# KiCad board prototype_01.kicad_pcb (continued)
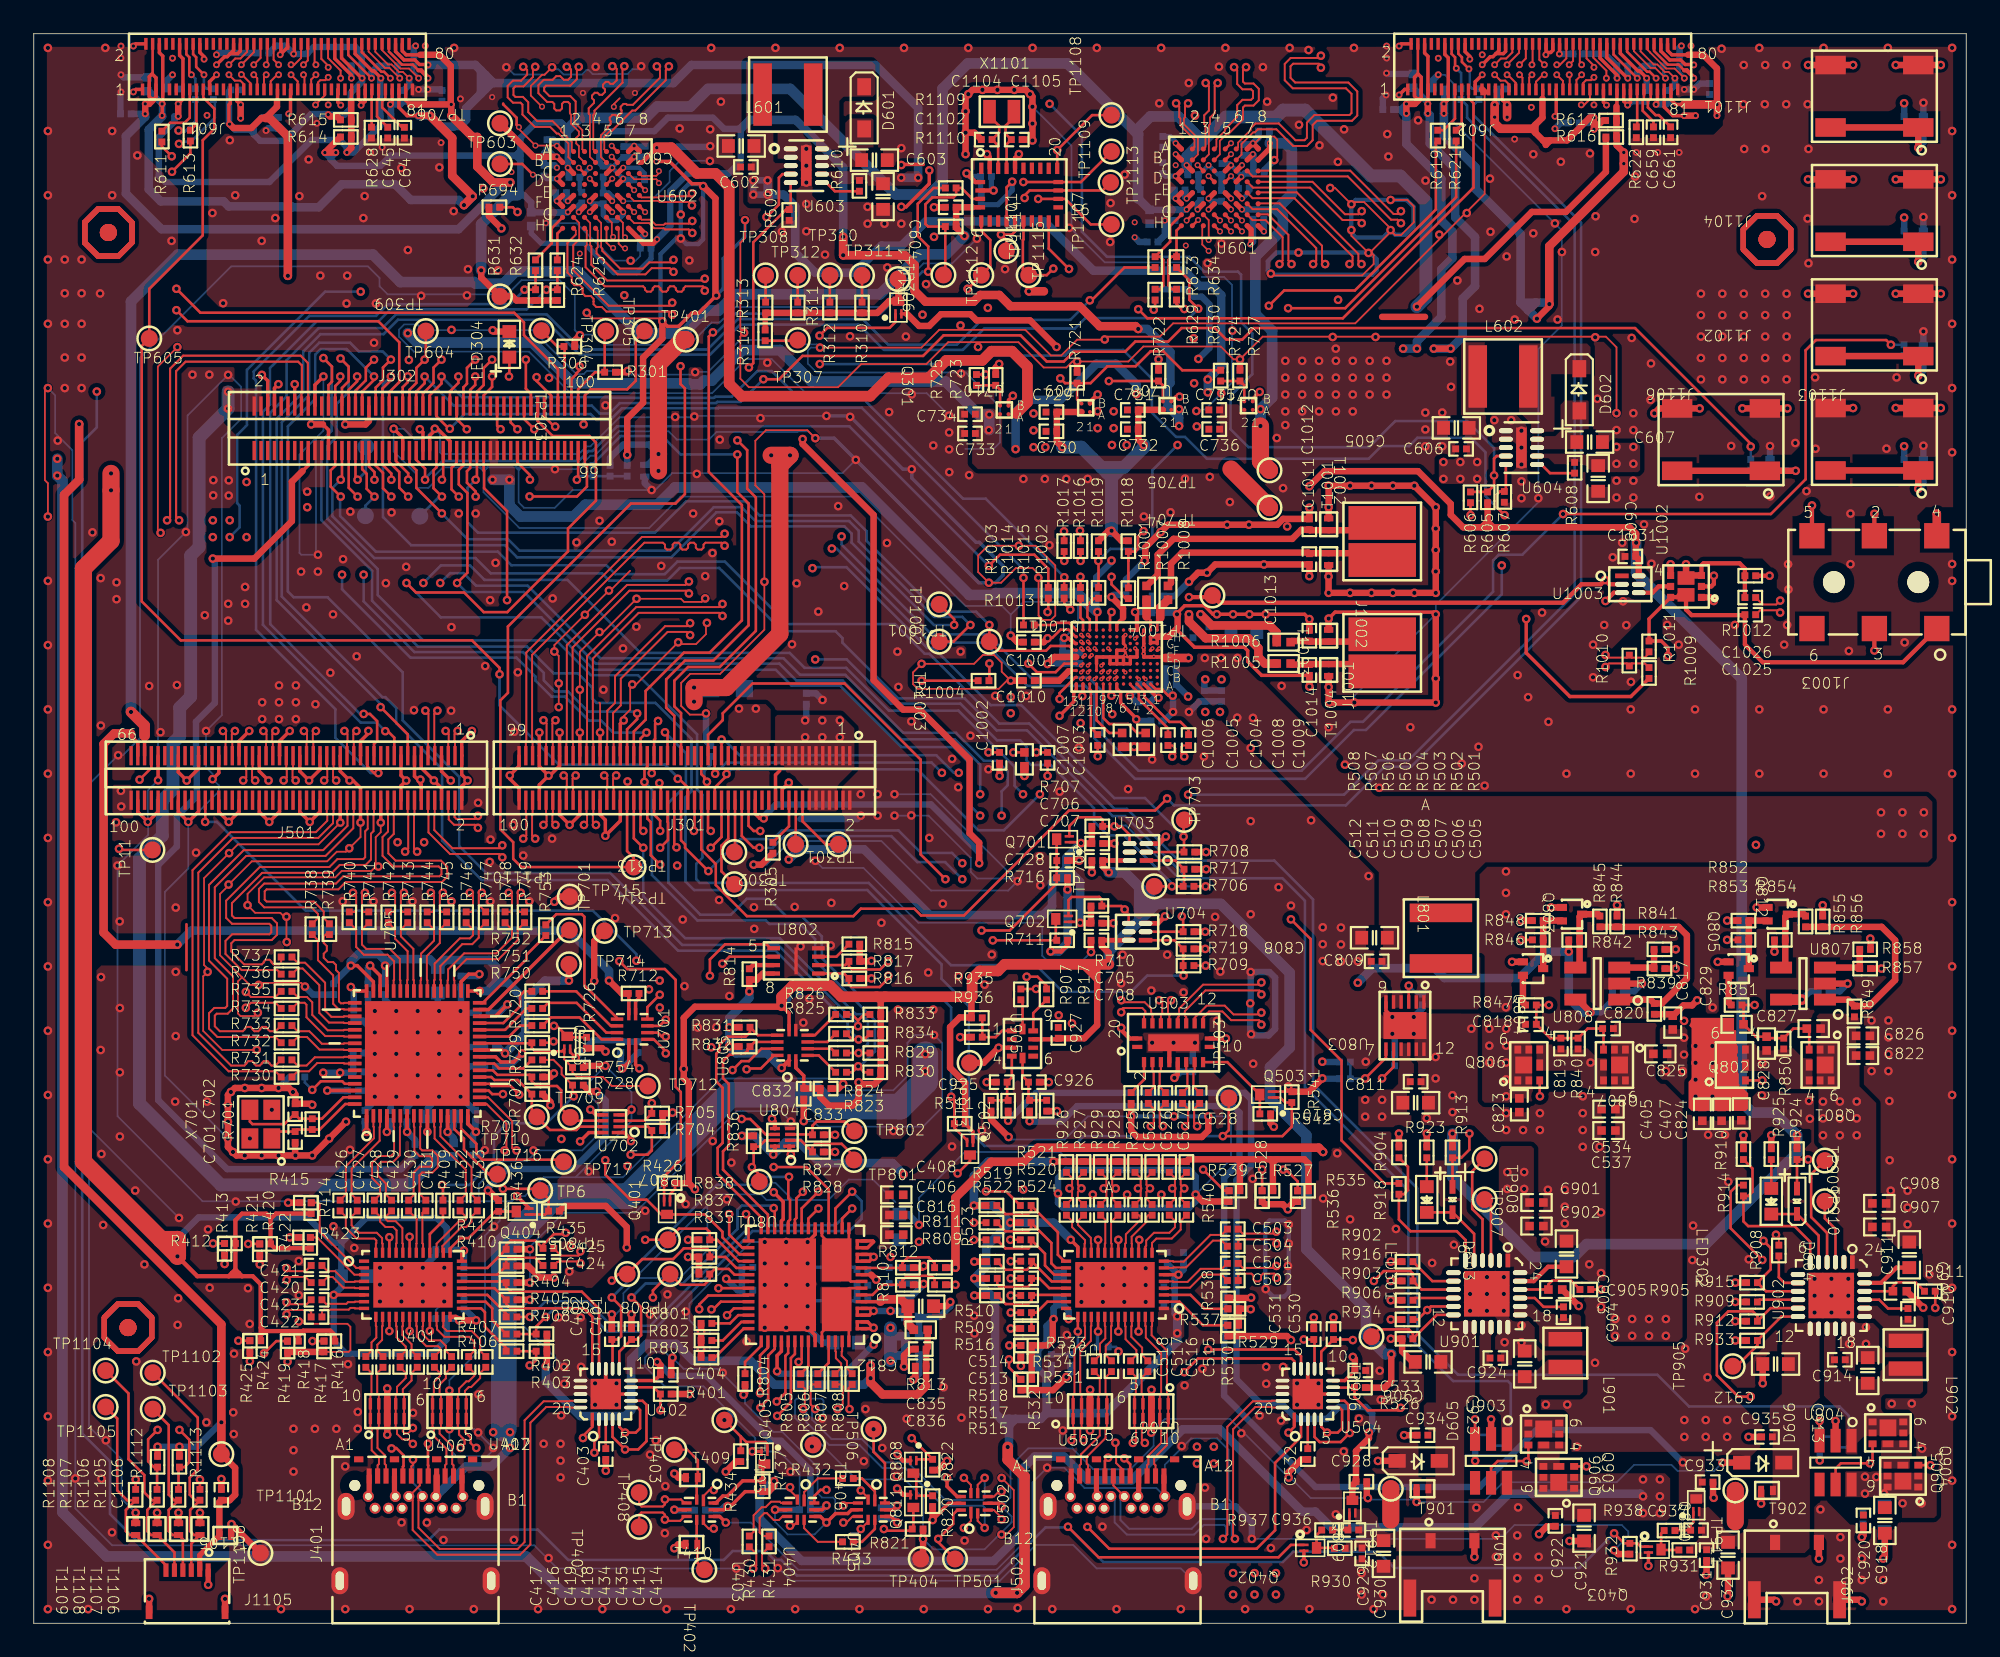
[diagram p0: board, top side]
## Routing (per net, layer and track width the routed paths; a pad name or vN(x,y) marks a point on that pad's centre or on a via; arc(x,y) is an arc through that point) (continued)
L_SSEQ1: length 4.1
  TOP w0.114: U401.3 19.01,20.67 16.8,22.88 R423.1
L_SSRXN: length 60.7
  TOP w0.114: C421.2 16.11,20.87 15.17,20.87 v1(14.99,21.06) ; v1(64.46,36.94) 64.58,36.82 65.85,36.82 66.24,36.44 66.24,36.13 66.31,36.05 U503.18
  ART03 w0.114: v1(14.99,21.06) 15.1,20.94 16.09,20.94 19.59,24.45 28.94,24.45 30.68,26.18 35.45,26.18 40.31,31.05 52.38,31.05 58.19,36.85 64.37,36.85 v1(64.46,36.94)
L_SSRXP: length 60.7
  TOP w0.114: U503.19 65.81,36.05 65.89,36.13 65.89,36.29 65.71,36.47 64.58,36.47 64.46,36.36 v1(64.46,36.23) ; C420.2 16.11,20.53 15.17,20.53 v1(14.99,20.35)
  ART03 w0.114: v1(14.99,20.35) 14.99,20.47 15.12,20.6 15.44,20.6 15.64,20.4 15.9,20.4 16.1,20.6 16.23,20.6 19.74,24.1 29.08,24.1 30.82,25.84 35.6,25.84 40.46,30.7 52.53,30.7 58.33,36.51 64.26,36.51 64.46,36.31 v1(64.46,36.23)
L_SSTXN: length 70.2
  TOP w0.114: U503.16 67.31,36.05 67.24,36.13 67.24,36.75 v1(67.42,36.94) ; v1(14.99,19.02) 15.1,18.92 16.18,18.92 C423.2
  ART03 w0.114: v1(67.42,36.94) 67.3,36.82 67.3,36.28 63.91,32.89 59.45,32.89 56.26,29.71 46.87,29.71 45.74,28.58 43.31,28.58 42.51,27.78 40.81,27.78 40.53,27.5 38.52,27.5 35.98,24.96 31.51,24.96 28.14,21.59 28.14,18.01 26.02,15.89 15.96,15.89 14.07,17.78 14.07,18.53 14.43,18.88 14.85,18.88 v1(14.99,19.02)
L_SSTXP: length 70.1
  TOP w0.114: U503.17 66.81,36.05 66.89,36.13 66.89,36.82 66.78,36.94 v1(66.71,36.94) ; v1(14.99,18.31) 14.99,18.45 15.11,18.57 16.33,18.57 16.44,18.46 C422.2
  ART03 w0.114: v1(66.71,36.94) 66.84,36.94 66.95,36.82 66.95,36.43 66.7,36.17 66.4,36.17 66.23,36 66.23,35.7 66.06,35.53 65.75,35.53 65.58,35.36 65.58,35.05 65.41,34.88 65.11,34.88 64.94,34.71 64.94,34.41 64.76,34.23 64.46,34.23 64.29,34.06 64.29,33.76 63.76,33.24 59.3,33.24 56.12,30.05 46.73,30.05 45.59,28.92 43.16,28.92 42.37,28.13 40.67,28.13 40.39,27.84 38.38,27.84 35.84,25.3 31.37,25.3 27.8,21.73 27.8,18.15 25.88,16.23 16.11,16.23 15.28,17.05 15.28,17.22 15.3,17.23 15.3,17.4 15.14,17.56 14.98,17.56 14.96,17.54 14.8,17.54 14.42,17.92 14.42,18.38 14.58,18.54 14.88,18.54 14.99,18.43 v1(14.99,18.31)
L_STAT: length 4.9
  TOP w0.152: LED302.2 104.51,24.26 D604.2 105.8,22.99 U902.5
L_STBY: length 34.2
  TOP w0.152: v1(22.2,67.79) 22.2,68.18 21.47,68.9 J302.43 ; TP603.1 28.96,86.51 v4(29.59,85.88) ; v4(32.31,86.29) U602.C3
  ART06 w0.089: 30.75,87.26 31.34,87.26 v4(32.31,86.29)
  ART06 w0.122: 30.75,87.26 30.1,87.26 29.59,86.75 v4(29.59,85.88) 29.88,85.59 29.88,81.87 29.58,81.58 25.01,81.58 20.7,77.27 20.7,72.72 22.12,71.3 22.12,67.86 v1(22.2,67.79)
L_TX1+: length 6.9
  TOP w0.114: C417.1 20.02,14.84 20.02,13.6 19.96,13.53 U406.10 U406.1 19.96,11.61 20.03,11.53 20.03,10.25 20.46,9.82 20.46,9.44 20.38,9.37 J401.A2
L_TX1-: length 6.9
  TOP w0.114: C416.1 20.36,14.83 20.36,13.63 20.45,13.53 U406.9 U406.2 20.45,11.61 20.38,11.53 20.38,10.39 20.81,9.96 20.81,9.44 20.88,9.37 J401.A3
L_TX2+: length 10.1
  TOP w0.114: U407.5 U407.6 25.64,13.53 25.56,13.61 25.56,13.77 25.79,14 25.93,14 26.46,14.53 26.46,14.84 C414.1
  TOP w0.127: U407.5 25.64,11.59 25.57,11.52 25.57,11.34 25.9,11.01 25.9,10.68 26.18,10.39 v1(26.23,10.39)
  ART03 w0.114: v1(26.23,10.39) 26.05,10.39 25.93,10.28 25.93,9.63 24.81,8.5 24.81,7.05 J401.B2
L_TX2-: length 10
  TOP w0.114: U407.4 U407.7 25.14,13.53 25.22,13.61 25.22,13.92 25.64,14.34 25.79,14.34 26.12,14.68 26.12,14.84 C415.1
  TOP w0.127: v1(25.29,10.39) 25.54,10.65 25.54,10.86 25.21,11.19 25.21,11.52 25.14,11.59 U407.4
  ART03 w0.114: J401.B3 24.46,7.05 24.46,8.64 25.59,9.77 25.59,10.28 25.48,10.39 v1(25.29,10.39)
L_VBAT: length 1.9
  TOP w1.016: 100.86,6.02 TP911.1
L_VBUS: length 53.6
  TOP w0.203: U801.14 49.73,22.67 49.78,22.62 49.43,22.27 U801.13
  TOP w0.305: J401.B9 21.38,7.57 J401.A4
  TOP w0.381: J401.B4 23.88,7.57 J401.A9
  BOTTOM w0.508: v1(27.23,11.33) v1(28.23,11.33) v1(28.23,10.39) 27.13,9.3 25.61,9.3 J401.B4
  BOTTOM w1.524: 27.86,11.53 27.86,22.33 30.86,25.32 35.26,25.32 41.26,31.33 46.24,31.33 46.94,30.63 51.35,30.63 52.85,32.13 v1(52.85,32.73) v1(52.85,33.73)
  vias: v1(71.09,2.97) v1(71.09,1.7) v1(72.36,2.97) v1(72.36,1.7) v1(73.63,2.97) v1(73.63,1.7) v1(98.51,34.23) v1(98.51,33.23) v1(98.51,32.23) v1(98.51,31.23) v1(99.51,34.23) v1(99.51,33.23) v1(99.51,32.23) v1(99.51,31.23)
L_VDD1_1V8: length 33.5
  TOP w0.203: J601.12 8.65,92.95 8.85,92.75 J601.13 8.85,90.36 v5(8.56,90.07) ; 18.82,90.27 18.82,90.91 J601.63 ; v5(20.58,91.6) 20.58,91.61 20.15,92.04 20.05,92.04 19.05,93.05 J601.64
  TOP w0.381: v5(8.56,89.34) v5(8.56,90.07) ; 18.82,90.27 18.82,89.13 R615.1 R614.1 18.82,87.46 v5(18.56,87.2)
  BOTTOM w0.381: v5(8.56,89.34) 8.34,89.34 8.34,89.03 7.42,88.11 7.42,85.83 7.8,85.45 13.97,85.45 16.46,87.93 18.14,87.93 18.56,87.51 v5(18.56,87.2) 18.95,87.2 20.53,88.78 C637.2 20.53,91.55 v5(20.58,91.6)
L_VDD_10V: length 88.8
  TOP w0.203: v5(23.37,92.39) 23.35,92.41 22.86,92.41 22.59,92.68 21.95,92.68 21.45,93.18 J601.76 ; v5(22.81,89.38) 22.13,89.38 21.65,89.86 J601.77 ; v5(7.61,89.38) 7.62,89.39 7.62,90.08 7.65,90.11 J601.7 7.65,92.91 7.45,93.11 J601.6
  TOP w0.381: v5(22.81,89.38) v5(23.48,89.38) ; v5(7.61,90.07) 7.62,90.08
  TOP w0.508: v5(23.48,89.38) 24.81,88.05 24.81,85.81 v1(26.02,84.59) v1(25.5,84.07)
  BOTTOM w0.381: C636.2 6.86,90.83 v5(7.61,90.07) v5(7.61,89.38)
  BOTTOM w0.508: 27.19,91.37 27.25,91.31 37.92,91.31 38.99,92.38 49.88,92.38 52.42,89.84 v1(52.42,85.7) v1(51.42,85.7) ; 27.19,91.37 26.77,91.79 ; 27.19,91.37 26.77,90.95 ; 26.77,91.79 26.51,92.05 ; 26.77,91.79 26.77,90.95 ; v5(23.37,92.39) 26.18,92.39 26.51,92.05 ; v5(22.81,89.38) v5(23.48,89.38) 24.13,88.72 24.85,88.72 24.89,88.77 25,88.77 25.01,88.77 25.26,88.77 25.63,89.14 25.63,89.8 26.51,90.68 ; 26.51,92.05 26.51,90.68 ; v1(26.02,84.59) v1(25.5,84.07) 25.2,84.38 22.35,84.38 21.42,85.3 18.25,85.3 16.9,83.95 15.34,83.95 15.29,84 11.55,84 11.25,84.3 7.53,84.3 6.82,85.01 6.82,88.55 7.61,89.34 v5(7.61,89.38) ; 26.51,90.68 26.77,90.95
LCD_1V2_L: length 67.7
  TOP w0.254: v4(36.93,87.48) 36.05,86.6 U602.B8
  TOP w0.305: U602.F6 v4(34.94,83.66) ; v4(32.96,84.31) U602.E4 ; v4(32.31,83.66) U602.F3 ; v4(31.01,86.94) U602.B1 ; v4(31.66,84.31) U602.E2
  TOP w0.381: TP706.1 29.62,86.94 v4(31.01,86.94)
  TOP w0.635: v4(36.93,87.48) 37.8,87.48 39.32,85.95 40.41,85.95 41.22,85.14 41.22,73.48 41.96,72.75 49.58,72.75 50.67,73.83 53.06,73.83 54.09,74.87 56.23,74.87 56.77,75.41 57.99,75.41 58.9,74.5 58.9,72.39 58.24,71.72
  ART06 w0.305: v4(32.31,83.66) 32.31,83.72
  ART06 w0.381: v4(36.93,87.48) 37.87,86.54 37.87,84.07 36.8,83.01 35.45,83.01 34.94,83.52 v4(34.94,83.66) ; 32.31,83.77 32.31,83.92 32.7,84.31 v4(32.96,84.31) ; 32.31,83.77 32.31,83.72 ; 32.31,83.77 31.77,84.31 v4(31.66,84.31) 31.66,84.54 31.17,85.04 30.68,85.04 30.33,85.39 30.33,85.93 30.69,86.29 v4(31.01,86.29)
  BOTTOM w0.305: v4(32.96,84.31) 33.12,84.15 C613.1 33.76,83.49 34.09,83.16 34.58,83.16 34.94,83.52 v4(34.94,83.66)
  BOTTOM w0.381: v4(36.93,87.48) 36.98,87.53 C615.1 ; C616.1 31.57,84.4 v4(31.66,84.31) ; v4(31.01,86.29) 30.86,86.44 C617.1 30.25,87.13 C614.1 30.5,87.31 30.87,86.94 v4(31.01,86.94) ; C618.1 32.31,84.03 v4(32.31,83.66)
LCD_1V2_R: length 31.7
  TOP w0.305: U601.B8 73.27,87.44 v4(73.27,87.74) ; v4(68.34,84.46) U601.E2 ; U601.F6 v4(71.62,83.81) ; v4(68.99,83.81) U601.F3 ; v4(67.69,87.09) U601.B1 ; v4(69.64,84.46) U601.E4
  TOP w1.016: TP705.1 72.72,68.89 v1(72.72,70.98)
  ART06 w0.381: v4(67.69,86.44) v4(67.69,87.09)
  BOTTOM w0.305: C622.1 69.8,84.3 v4(69.64,84.46)
  BOTTOM w0.381: C621.1 68.25,84.55 v4(68.34,84.46) ; v4(71.62,83.81) 73.65,83.81 ; v4(68.99,83.81) 68.99,84.18 C624.1 ; v4(73.27,87.74) 73.24,87.77 C623.1
  BOTTOM w0.635: v1(72.72,70.98) v1(72.72,71.98) 73.41,72.67 73.41,76.63 72.42,77.62 72.42,81.03 74.04,82.65 74.04,83.42 73.65,83.81 74.57,84.73 74.57,87.35 74.18,87.74 v4(73.27,87.74)
LCD_1V8_L: length 81.5
  TOP w0.305: U602.B7 v4(35.59,86.94) ; U602.D6 v4(34.94,85.64) ; U602.C5 v4(34.29,86.29) ; v4(36.95,82.05) 36.7,81.8 36.15,81.8 U602.H7
  TOP w0.508: v1(47.98,82.19) v1(47.98,81.1) 51.64,81.1 52.21,80.53 52.21,79 52.86,78.35 55.71,78.35 56.11,78.75 57.24,78.75 57.9,78.08 62,78.08 63.19,76.9 65.31,76.9 v1(65.47,76.73)
  BOTTOM w0.254: C631.1 34.88,86.9 34.29,86.31 v4(34.29,86.29) v4(34.94,85.64)
  BOTTOM w0.305: C630.1 36.59,80.9 35.75,80.07 34.39,80.07 32.64,81.81 30.07,81.81 29.49,82.4 R601.1 ; C632.1 34.19,86.39 v4(34.29,86.29)
  BOTTOM w0.381: C633.1 35.01,85.57 v4(34.94,85.64) ; C631.1 35.55,86.9 v4(35.59,86.94) 35.6,86.93 C634.1 ; C632.1 33.53,86.61 33.53,87.82 34.17,88.46 36.78,88.46 37.58,89.26 40.26,89.26 40.92,88.6 41.91,88.6 41.91,86.66 41.2,85.95 38.78,85.95 37.73,84.91 37.73,82.83 v4(36.95,82.05) 36.59,81.69 C630.1
  BOTTOM w0.508: 67.38,71.98 v1(67.89,71.98) 67.89,71.47 ; 67.38,71.98 67.89,71.47 ; 67.38,71.98 67.21,72.14 67.21,73.36 67.38,73.53 67.38,75.36 66.01,76.73 v1(65.47,76.73) ; 67.89,71.47 v1(67.89,70.98) ; 41.91,88.6 42.44,89.13 45.16,89.13 47.98,86.31 v1(47.98,82.19) v1(47.98,81.1)
LCD_1V8_R: length 36.7
  TOP w0.305: U601.D6 v4(71.58,85.75) ; U601.C5 v4(70.97,86.44) ; U601.H7 72.16,82.62 72.16,81.79 v4(72.12,81.75) ; U601.B7 v4(72.27,87.09)
  ART06 w0.381: v4(71.58,85.75) 72.29,85.75 72.69,85.34 72.69,83.39 72.27,82.96 72.27,81.9 v4(72.12,81.75) 72.12,81.56 71.55,81
  ART06 w0.508: 66.91,79.65 67.27,79.65 ; 66.91,79.65 67.29,79.28 ; 66.91,79.65 66.08,79.65 65.26,80.47 v4(65.26,82.17) v4(65.26,83.05) ; 67.27,79.65 67.29,79.64 67.29,79.28 ; 67.27,79.65 67.67,79.65 ; 67.29,79.28 67.29,79.27 ; v1(63.07,70.85) v1(63.07,71.85) 63.83,72.62 64.08,72.62 64.85,73.38 64.85,74.73 67.34,77.22 67.34,79.22 67.29,79.27 ; 71.55,81 70.21,79.65 67.67,79.65 ; 67.67,79.65 67.29,79.27
  BOTTOM w0.254: v4(71.58,85.75) 71.58,85.83 v4(70.97,86.44)
  BOTTOM w0.305: C625.1 70.87,86.54 v4(70.97,86.44)
  BOTTOM w0.381: v4(71.58,85.75) 71.78,85.95 C627.1 72.3,87.06 v4(72.27,87.09) 72.21,87.03 C629.1 ; C628.1 65.54,81.89 v4(65.26,82.17) ; C626.1 72.27,81.9 v4(72.12,81.75)
LL_VBAT: length 62.4
  TOP w0.381: v1(59.03,29.77) R929.1
  BOTTOM w0.381: v1(59.03,29.77) 59.05,29.74 60.93,29.74 61.85,30.66 71.09,30.66 71.48,30.28 71.48,27.33 70.56,26.42 70.56,13.49 75.98,8.08 85.7,8.08 89.07,11.45 95.84,11.45 v1(97.76,9.53)
LLV1A: length 44.4
  TOP w0.114: J601.31 12.45,91.25 12.24,91.46 11.92,91.46 v5(11.57,91.8)
  TOP w0.152: U602.F7 v4(35.59,83.66)
  ART03 w0.102: v5(11.57,91.8) 11.4,91.64 11.4,91.36 11.08,91.03 9.93,91.03 9.72,90.82 9.72,90.61 9.88,90.45 9.88,90.25 9.72,90.09 9.72,89.91 9.92,89.71 9.92,89.42 9.72,89.22 9.72,88.71 9.79,88.64 9.79,88.62 ; 35.01,83.17 35.03,83.17 35.1,83.1 35.68,83.1 35.81,83.24 35.81,83.56 35.71,83.66 v4(35.59,83.66)
  ART03 w0.114: 35.01,83.17 34,83.17 33.89,83.29 33.89,83.35 33.77,83.46 33.54,83.46 33.43,83.35 33.43,83.29 33.32,83.17 33.11,83.17 32.66,82.72 32.5,82.72 32.37,82.84 32.21,82.84 32.05,82.68 32.05,82.52 32.17,82.4 32.17,82.23 31.59,81.65 31.3,81.65 31.18,81.76 31.18,81.78 31.07,81.89 30.84,81.89 30.72,81.78 30.72,81.76 30.61,81.65 26.81,81.65 25.64,82.82 8.63,82.82 8.51,82.93 8.51,84.39 8.63,84.5 9.25,84.5 9.79,85.04 9.79,85.64 9.9,85.76 9.94,85.76 10.05,85.87 10.05,86.1 9.94,86.21 9.9,86.21 9.79,86.33 9.79,86.56 9.9,86.67 9.94,86.67 10.05,86.79 10.05,87.01 9.94,87.13 9.9,87.13 9.79,87.24 9.79,87.47 9.9,87.59 9.94,87.59 10.05,87.7 10.05,87.93 9.94,88.04 9.9,88.04 9.79,88.16 9.79,88.62
LLV1B: length 44.5
  TOP w0.114: J601.32 12.65,93.16 12.25,92.77 11.94,92.77 v5(11.57,92.4)
  TOP w0.152: U602.F8 v4(36.24,83.66)
  ART03 w0.102: 9.44,88.62 9.44,88.64 9.51,88.71 9.51,90.9 9.85,91.24 11,91.24 11.2,91.44 11.2,92.03 v5(11.57,92.4) ; v4(36.24,83.66) 36.12,83.66 36.02,83.56 36.02,83.15 35.76,82.9 35.09,82.9 35.02,82.83 35.01,82.83
  ART03 w0.114: 9.44,88.62 9.44,85.18 9.11,84.84 8.49,84.84 8.17,84.53 8.17,82.79 8.49,82.47 25.5,82.47 26.67,81.31 31.73,81.31 32.52,82.09 32.52,82.38 32.8,82.38 33.25,82.83 35.01,82.83
LLV2A: length 44
  TOP w0.102: U602.C7 35.59,85.61 36.9,85.61 37.06,85.45
  TOP w0.114: v5(12.31,91.82) 12.32,91.8 12.35,91.8 12.85,91.3 J601.33 ; v4(37.06,85.38) 37.06,85.45
  ART03 w0.102: 10.92,88.67 10.92,88.7 10.85,88.77 10.85,90.16 11.54,90.86 11.71,90.86 12.14,91.29 12.14,91.64 12.31,91.8 v5(12.31,91.82)
  ART03 w0.114: 10.92,88.67 10.92,84.54 11.33,84.13 23.7,84.13 25.52,85.94 26.77,85.94 29.41,88.58 37.54,88.58 38.2,87.93 38.2,86.13 37.63,85.56 37.24,85.56 v4(37.06,85.38)
LLV2B: length 44.1
  TOP w0.102: 37.06,85.97 36.9,85.81 36.04,85.81 U602.C8
  TOP w0.114: v5(12.31,92.4) 13.05,93.14 J601.34 ; 37.06,85.97 v4(37.06,86.09)
  ART03 w0.102: 10.57,88.67 10.57,88.7 10.64,88.77 10.64,90.25 11.46,91.06 11.63,91.06 11.94,91.37 11.94,92.03 v5(12.31,92.4)
  ART03 w0.114: v4(37.06,86.09) 37.24,85.91 37.49,85.91 37.85,86.27 37.85,86.55 37.64,86.76 37.64,87 37.85,87.22 37.85,87.79 37.4,88.24 29.55,88.24 26.91,85.6 25.66,85.6 23.85,83.78 11.18,83.78 10.57,84.4 10.57,88.67
LLV3A: length 44.3
  TOP w0.114: v5(13.04,91.8) 13.25,91.6 J601.35
  TOP w0.152: U602.D7 v4(35.59,84.96)
  ART03 w0.102: v5(13.04,91.8) 12.88,91.64 12.88,88.64 12.95,88.57 12.95,88.54 ; 36.65,84.21 36.63,84.21 36.56,84.28 36.09,84.28 35.81,84.55 35.81,84.86 35.71,84.96 v4(35.59,84.96)
  ART03 w0.114: 36.65,84.21 37.7,84.21 39.38,85.89 39.38,88.76 38.69,89.46 28.12,89.46 25.85,87.19 23.64,87.19 21.96,85.51 13.06,85.51 12.95,85.63 12.95,86.36 13.16,86.57 13.16,86.98 12.95,87.19 12.95,87.5 13.13,87.69 13.13,88.12 12.95,88.31 12.95,88.54
LLV3B: length 44.2
  TOP w0.114: v5(13.04,92.4) 13.45,92.8 J601.36
  TOP w0.152: U602.D8 v4(36.24,84.96)
  ART03 w0.102: v5(13.04,92.4) 12.67,92.03 12.67,88.64 12.6,88.57 12.6,88.54 ; v4(36.24,84.96) 36.12,84.96 36.02,84.86 36.02,84.63 36.17,84.48 36.56,84.48 36.63,84.55 36.65,84.55
  ART03 w0.114: 12.6,88.54 12.6,85.48 12.92,85.17 22.11,85.17 23.78,86.85 25.99,86.85 28.26,89.11 38.55,89.11 39.04,88.62 39.04,86.03 37.56,84.55 36.65,84.55
LLV4A: length 44.5
  TOP w0.102: 37.12,84.26 37.1,84.26 37.03,84.33 35.57,84.33 U602.E7
  TOP w0.114: 37.12,84.26 38.81,84.26 v1(39.01,84.05) ; J601.37 13.65,91.67 v5(13.78,91.8)
  ART03 w0.102: 14.67,89.36 14.67,89.38 14.6,89.45 14.6,90.25 13.61,91.24 13.61,91.64 v5(13.78,91.8)
  ART03 w0.114: v1(39.01,84.05) 39.2,84.24 40.36,84.24 40.92,84.8 40.92,89.23 39.62,90.53 37.64,90.53 37.44,90.33 35.28,90.33 34.96,90.65 33.48,90.65 33.15,90.32 31.52,90.32 31.2,90.64 27.96,90.64 25.93,88.61 18.23,88.61 17.97,88.35 16.74,88.35 15.96,87.57 15.31,87.57 14.67,88.2 14.67,89.36
LLV4B: length 44.5
  TOP w0.102: U602.E8 36.02,84.53 37.03,84.53 37.1,84.6 37.12,84.6
  TOP w0.114: v5(13.78,92.4) 13.85,92.46 J601.38 ; 37.12,84.6 38.85,84.6 v1(39.01,84.77)
  ART03 w0.102: v5(13.78,92.4) 13.41,92.03 13.41,91.15 14.4,90.16 14.4,89.45 14.33,89.38 14.33,89.36
  ART03 w0.114: 14.33,89.36 14.33,88.06 14.5,87.88 14.5,87.72 14.46,87.68 14.46,87.52 14.62,87.36 14.79,87.36 14.83,87.4 14.99,87.4 15.16,87.22 16.1,87.22 16.89,88.01 18.11,88.01 18.37,88.27 26.07,88.27 28.1,90.3 31.05,90.3 31.37,89.98 33.29,89.98 33.62,90.31 34.82,90.31 35.14,89.99 37.58,89.99 37.78,90.19 39.48,90.19 40.58,89.09 40.58,84.94 40.22,84.58 39.2,84.58 v1(39.01,84.77)
LLV5A: length 44.5
  TOP w0.102: U602.G7 35.59,83.01 36.47,83.01 36.78,82.7 37.34,82.7 37.41,82.63 37.44,82.63
  TOP w0.114: 37.44,82.63 38.83,82.63 v1(39.04,82.42) ; J601.39 14.05,91.42 14.43,91.8 v5(14.52,91.8)
  ART03 w0.102: 16.56,90.98 16.54,90.98 16.47,90.91 14.95,90.91 14.4,91.46 14.4,91.69 v5(14.52,91.8)
  ART03 w0.114: v1(39.04,82.42) 39.22,82.61 40.57,82.61 41.9,83.93 41.9,90.39 40.74,91.54 24.69,91.54 23.66,90.51 22.16,90.51 21.7,90.98 16.56,90.98
LLV5B: length 44.4
  TOP w0.102: 37.44,82.98 37.41,82.98 37.34,82.91 36.86,82.91 36.56,83.21 36.04,83.21 U602.G8
  TOP w0.114: v5(14.52,92.4) 14.22,92.69 14.22,93.61 J601.40 ; v1(39.04,83.13) 38.99,83.13 38.83,82.98 37.44,82.98
  ART03 w0.102: 16.56,90.63 16.54,90.63 16.47,90.7 14.87,90.7 14.15,91.43 14.15,92.03 v5(14.52,92.4)
  ART03 w0.114: v1(39.04,83.13) 39.22,82.95 40.43,82.95 41.55,84.08 41.55,90.25 40.6,91.2 24.83,91.2 23.8,90.17 22.02,90.17 21.56,90.63 19.78,90.63 19.59,90.44 19.32,90.44 19.13,90.63 18.87,90.63 18.68,90.44 18.41,90.44 18.22,90.63 17.95,90.63 17.76,90.44 17.49,90.44 17.3,90.63 16.56,90.63
LLV6A: length 41.2
  TOP w0.102: U602.B2 31.69,86.91 31.69,87.73 31.1,88.32 31.01,88.32 30.99,88.33
  TOP w0.114: v1(29.01,92.27) 29.08,92.2 29.13,92.2 29.25,92.09 29.25,91.81 28.89,91.45 28.41,91.45 28.09,91.14 28.09,90.46 28.41,90.15 28.85,90.15 28.97,90.03 28.97,89.44 29.7,88.71 30.61,88.71 30.99,88.33 ; J601.53 16.85,91.34 16.99,91.48 17.29,91.48 v5(17.46,91.65)
  ART06 w0.102: 15.85,88.85 15.85,88.87 15.78,88.94 15.78,90.06 17.37,91.65 v5(17.46,91.65)
  ART06 w0.114: v1(29.01,92.27) 29.01,92.2 29.09,92.12 29.09,91.96 28.83,91.69 27.36,91.69 27.24,91.81 27.24,92.1 27.13,92.22 26.9,92.22 26.79,92.1 26.79,91.81 26.67,91.69 26.17,91.69 25.71,91.23 25.71,90.71 26.02,90.39 26.32,90.39 26.43,90.28 26.43,89.94 25.15,88.66 23.13,88.66 22.81,88.34 22.81,87.54 22.69,87.41 22.47,87.41 22.36,87.53 22.36,88.35 22.08,88.63 22.08,89.26 21.74,89.6 21.1,89.6 20.78,89.28 20.78,88.01 21.06,87.73 21.06,86.74 20.64,86.31 19.68,86.31 19.48,86.51 18.62,86.51 18.42,86.31 18.08,86.31 17.88,86.51 17.02,86.51 16.82,86.31 15.74,86.31 15.49,86.57 15.49,86.93 15.6,87.04 15.76,87.04 15.88,87.15 15.88,87.38 15.76,87.5 15.6,87.5 15.49,87.61 15.49,87.85 15.85,88.21 15.85,88.85
LLV6B: length 41.2
  TOP w0.102: U602.A2 31.9,87.36 31.9,87.81 31.25,88.46 31.25,88.56 31.23,88.58
  TOP w0.114: J601.54 17.05,92.74 17.46,92.34 v5(17.46,92.24) ; v1(29.72,92.27) 29.72,92.2 29.59,92.07 29.59,91.67 29.03,91.11 28.55,91.11 28.44,91 28.44,90.6 28.55,90.49 29,90.49 29.31,90.17 29.31,89.59 29.84,89.05 30.76,89.05 31.23,88.58
  ART06 w0.102: v5(17.46,92.24) 17.09,91.87 17.09,91.65 15.57,90.14 15.57,88.94 15.5,88.87 15.5,88.85
  ART06 w0.114: 15.5,88.85 15.5,88.35 15.14,87.99 15.14,86.43 15.6,85.97 16.96,85.97 17.16,86.17 17.74,86.17 17.93,85.97 18.56,85.97 18.76,86.17 19.34,86.17 19.54,85.97 20.78,85.97 21.41,86.6 21.41,87.87 21.13,88.15 21.13,89.14 21.24,89.26 21.6,89.26 21.74,89.12 21.74,88.48 22.01,88.21 22.01,87.39 22.33,87.07 22.83,87.07 23.16,87.4 23.16,88.2 23.27,88.32 25.3,88.32 26.78,89.8 26.78,90.42 26.46,90.74 26.17,90.74 26.05,90.85 26.05,91.09 26.32,91.35 28.97,91.35 29.72,92.11 v1(29.72,92.27)
LLV7A: length 40.9
  TOP w0.102: 31.78,89.53 31.78,89.51 31.85,89.44 31.85,88.9 32.32,88.43 32.32,88.22 32.16,88.06 32.16,87.73 32.32,87.57 32.32,86.93 U602.B3
  TOP w0.114: v5(16.73,91.8) 16.45,91.52 J601.51 ; v1(31.6,92.27) 31.64,92.23 31.74,92.23 31.85,92.11 31.85,91.68 31.67,91.5 31.43,91.5 31.21,91.72 30.97,91.72 30.75,91.5 30.23,91.5 29.91,91.18 29.91,90.71 30.43,90.19 30.74,90.19 30.85,90.08 30.85,89.8 30.97,89.69 31.2,89.69 31.31,89.8 31.31,90.08 31.43,90.19 31.67,90.19 31.78,90.08 31.78,89.53
  ART06 w0.102: 14.45,87.83 14.45,87.86 14.38,87.93 14.38,88.54 14.55,88.72 14.55,88.93 14.38,89.1 14.38,89.4 16.56,91.58 16.56,91.64 v5(16.73,91.8)
  ART06 w0.114: 14.45,87.83 14.45,86.24 15.25,85.44 16.32,85.44 16.64,85.12 16.98,85.12 17.3,85.44 17.92,85.44 18.24,85.12 18.58,85.12 18.9,85.44 20.46,85.44 20.89,85.02 22.72,85.02 23.19,85.48 23.19,86.61 23.92,87.35 25.09,87.35 28.39,90.64 29.11,90.64 29.45,90.99 31.66,90.99 31.77,91.1 31.77,92.05 31.6,92.23 v1(31.6,92.27)
LLV7B: length 40.9
  TOP w0.102: U602.A3 32.52,87.38 32.52,88.52 32.05,88.98 32.05,89.44 32.12,89.51 32.12,89.53
  TOP w0.114: v1(32.31,92.27) 32.31,92.23 32.19,92.11 32.19,91.54 31.81,91.16 30.37,91.16 30.26,91.04 30.26,90.85 30.57,90.53 31.81,90.53 32.12,90.22 32.12,89.53 ; J601.52 16.65,92.47 v5(16.73,92.4)
  ART06 w0.102: v5(16.73,92.4) 16.36,92.03 16.36,91.66 14.18,89.48 14.18,87.93 14.11,87.86 14.11,87.83
  ART06 w0.114: v1(32.31,92.27) 32.12,92.08 32.12,90.96 31.8,90.64 29.6,90.64 29.25,90.3 28.53,90.3 25.24,87.01 24.06,87.01 23.53,86.47 23.53,85.34 22.87,84.67 20.74,84.67 20.32,85.1 19.04,85.1 18.72,84.78 18.1,84.78 17.78,85.1 17.44,85.1 17.12,84.78 16.5,84.78 16.18,85.1 15.1,85.1 14.11,86.09 14.11,87.83
LLV8A: length 41.4
  TOP w0.102: U602.B4 32.97,86.93 32.97,89.42 32.9,89.49 32.9,89.51
  TOP w0.114: 32.9,89.51 32.9,89.82 33.21,90.13 33.21,90.29 33.09,90.41 33.09,90.57 33.25,90.73 33.42,90.73 33.53,90.62 33.7,90.62 33.86,90.78 33.86,90.94 33.74,91.06 33.74,91.22 33.9,91.38 34.06,91.38 34.18,91.26 34.34,91.26 34.56,91.48 34.56,92.15 34.44,92.26 34.34,92.26 v1(34.3,92.31) ; v5(15.99,91.8) 16.05,91.74 J601.49
  ART06 w0.102: 13.4,87.76 13.4,87.78 13.33,87.85 13.33,89.07 15.82,91.56 15.82,91.64 v5(15.99,91.8)
  ART06 w0.114: 13.4,87.76 13.4,85.91 15.19,84.12 23.11,84.12 28.51,89.52 31.93,89.52 33.61,91.2 33.61,91.51 33.52,91.6 33.52,91.77 33.69,91.93 33.85,91.93 33.94,91.84 34.1,91.84 34.3,92.04 v1(34.3,92.31)
LLV8B: length 41.5
  TOP w0.102: U602.A4 33.17,87.38 33.17,89.42 33.24,89.49 33.24,89.51
  TOP w0.114: v5(15.99,92.4) 16.25,92.65 J601.50 ; 33.24,89.51 33.24,89.67 34.9,91.33 34.9,92.15 35.01,92.26 v1(35.01,92.31)
  ART06 w0.102: 13.06,87.76 13.06,87.78 13.13,87.85 13.13,89.16 15.62,91.65 15.62,92.03 v5(15.99,92.4)
  ART06 w0.114: 13.06,87.76 13.06,85.77 15.05,83.78 23.25,83.78 28.65,89.18 32.07,89.18 33.96,91.06 33.96,91.21 35.01,92.26 v1(35.01,92.31)
LLV9A: length 41.8
  TOP w0.114: v5(15.25,91.8) 15.65,91.41 J601.47
  TOP w0.152: v4(34.26,86.94) U602.B6
  ART06 w0.102: 12.64,87.74 12.64,87.76 12.57,87.83 12.57,88.64 12.88,88.95 12.88,90.35 13.61,91.08 14.6,91.08 15.09,91.57 15.09,91.64 v5(15.25,91.8)
  ART06 w0.114: v4(34.26,86.94) 34.41,87.09 34.74,87.09 35.08,87.43 35.08,88.24 34.76,88.55 34.52,88.55 34.41,88.67 34.41,88.77 34.29,88.88 34.06,88.88 33.95,88.77 33.95,88.67 33.84,88.55 33.61,88.55 33.49,88.67 33.49,88.77 33.38,88.88 33.15,88.88 33.04,88.77 33.04,88.67 32.92,88.55 29.64,88.55 27.14,86.05 27.14,84.42 25.53,82.81 12.46,82.81 11.42,83.85 11.42,85.61 12.64,86.82 12.64,87.74
LLV9B: length 41.7
  TOP w0.114: v5(15.25,92.4) 15.44,92.4 15.85,92.8 J601.48
  TOP w0.152: v4(34.26,87.59) U602.A6
  ART06 w0.102: v5(15.25,92.4) 14.88,92.03 14.88,91.65 14.52,91.29 13.53,91.29 12.67,90.43 12.67,89.04 12.37,88.73 12.37,87.83 12.3,87.76 12.3,87.74
  ART06 w0.114: v4(34.26,87.59) 34.41,87.44 34.6,87.44 34.73,87.57 34.73,88.09 34.62,88.21 29.78,88.21 27.48,85.91 27.48,84.28 25.67,82.47 12.32,82.47 11.08,83.71 11.08,85.75 12.3,86.96 12.3,87.74
LLV10A: length 41.4
  TOP w0.102: U602.B5 33.62,86.93 33.62,88.21 34.01,88.6 34.01,88.7 34.03,88.72
  TOP w0.114: v1(36.94,92.3) 36.94,92.25 37.12,92.07 37.12,91.63 35.52,90.02 35.17,90.02 35.12,90.07 34.95,90.07 34.79,89.91 34.79,89.75 34.84,89.7 34.84,89.54 34.68,89.37 34.52,89.37 34.47,89.43 34.31,89.43 34.15,89.26 34.15,89.1 34.2,89.05 34.2,88.89 34.03,88.72 ; J601.55 17.25,90.57 16.71,90.03 v5(16.71,90.02)
  ART06 w0.102: v5(16.71,90.02) 16.66,90.07 16.51,90.07 16.39,89.94 16.39,88.58 16.5,88.47 17.28,88.47 17.35,88.54 17.37,88.54
  ART06 w0.114: 17.37,88.54 17.96,88.54 18.07,88.65 18.07,88.79 18.18,88.9 18.41,88.9 18.53,88.79 18.53,88.65 18.64,88.54 18.87,88.54 18.98,88.65 18.98,88.79 19.1,88.9 19.33,88.9 19.44,88.79 19.44,88.65 19.56,88.54 19.77,88.54 19.89,88.65 19.89,90.4 20.24,90.75 21.84,90.75 22.15,90.45 23.62,90.45 26.35,93.18 38.48,93.18 38.8,92.86 38.8,91.95 38.2,91.35 37.44,91.35 37.12,91.67 37.12,92.07 36.94,92.25 v1(36.94,92.3)
LLV10B: length 41.4
  TOP w0.102: U602.A5 33.82,87.38 33.82,88.13 34.16,88.46 34.25,88.46 34.27,88.48
  TOP w0.114: v5(18.19,91.6) 18.19,92.05 17.45,92.79 J601.56 ; v1(37.65,92.3) 37.65,92.25 37.46,92.07 37.46,91.48 35.66,89.68 35.47,89.68 34.27,88.48
  ART06 w0.102: 17.37,88.2 17.35,88.2 17.28,88.26 16.42,88.26 16.18,88.5 16.18,90.02 16.53,90.37 16.97,90.37 v5(18.19,91.6)
  ART06 w0.114: 17.37,88.2 19.91,88.2 20.23,88.51 20.23,90.26 20.38,90.41 21.7,90.41 22.01,90.11 23.76,90.11 26.49,92.84 38.34,92.84 38.46,92.72 38.46,92.09 38.06,91.69 37.58,91.69 37.46,91.81 37.46,92.07 37.65,92.25 v1(37.65,92.3)
LT_I2C_SCL: length 9.3
  TOP w0.152: U702.7 32.36,29.44 32.17,29.25 30.59,29.25 TP710.1 29.52,30.31 R703.1 28.69,32.21 27.3,32.21 27.13,32.38 U705.21
LT_I2C_SDA: length 9.4
  TOP w0.152: U702.6 32,29.79 TP709.1 31.27,30.53 31.27,31.6 31.01,31.85 29.79,31.85 29.52,32.12 R702.1 29.4,32.51 27.48,32.51 27.21,32.78 U705.22
LT_VCC12: length 66
  TOP w0.203: U705.48 19.03,37.48 v1(18.8,37.72) ; v1(19.94,38.99) 20.53,38.39 U705.46 ; U705.30 27.37,35.98 v1(28.08,36.69) ; U705.24 27.38,33.58 27.69,33.27 28.45,33.27 v1(28.96,33.78) ; U705.34 25.33,38.03 25.78,38.48 v1(26.42,38.48)
  TOP w0.229: v1(23.33,29.13) U705.10 ; v1(20.93,29.13) U705.4 ; v1(24.53,29.13) U705.13 ; v1(19.73,29.13) U705.1
  TOP w0.381: v1(33.22,38.07) 33.22,40.44 TP713.1
  ART06 w0.762: v1(33.22,38.07) 31.84,36.69 v1(28.08,36.69) ; v1(28.08,36.69) 28.08,38.11 27.71,38.48 v1(26.42,38.48) ; v1(28.08,36.69) 28.08,35.62 28.96,34.75 v1(28.96,33.78) 28.96,33.66 26.42,31.11 26.42,30.56 24.99,29.13 v1(24.53,29.13) v1(23.33,29.13) 23.33,28.62 22.82,28.1 21.44,28.1 20.93,28.61 v1(20.93,29.13) v1(19.73,29.13) 19.73,30 18.72,31.01 18.72,32.08 v1(18.16,32.64) 18.16,37.08 v1(18.8,37.72) 18.8,37.85 v1(19.94,38.99)
  BOTTOM w0.381: C724.1 19.63,29.23 v1(19.73,29.13) ; v1(18.8,37.72) 18.97,37.54 C723.1 ; C717.1 24.89,29.49 v1(24.53,29.13) 24.89,28.77 R715.1 ; C720.1 26.3,38.37 v1(26.42,38.48) ; v1(17.16,32.64) v1(18.16,32.64) 18.88,32.64 C726.1 C722.1 ; C725.1 19.81,38.86 v1(19.94,38.99) ; v1(28.96,33.78) 28.19,33.02 C718.1 ; v1(20.93,29.13) 21.16,29.36 C727.1 ; v1(28.08,36.69) 27.58,36.19 C719.1